# Altium PCB TM4C123G.PcbDoc (part 2 of 2)
Units mm, origin at the board's own origin, x right, y up, seen from the top; angles counter-clockwise.
Board outline 50.8 x 66.04 mm, 4 copper layers (Top Layer, GND, PWR, Bottom Layer), stack 1.605 mm thick; 93 components, 87 nets, 372 pads, 308 vias.
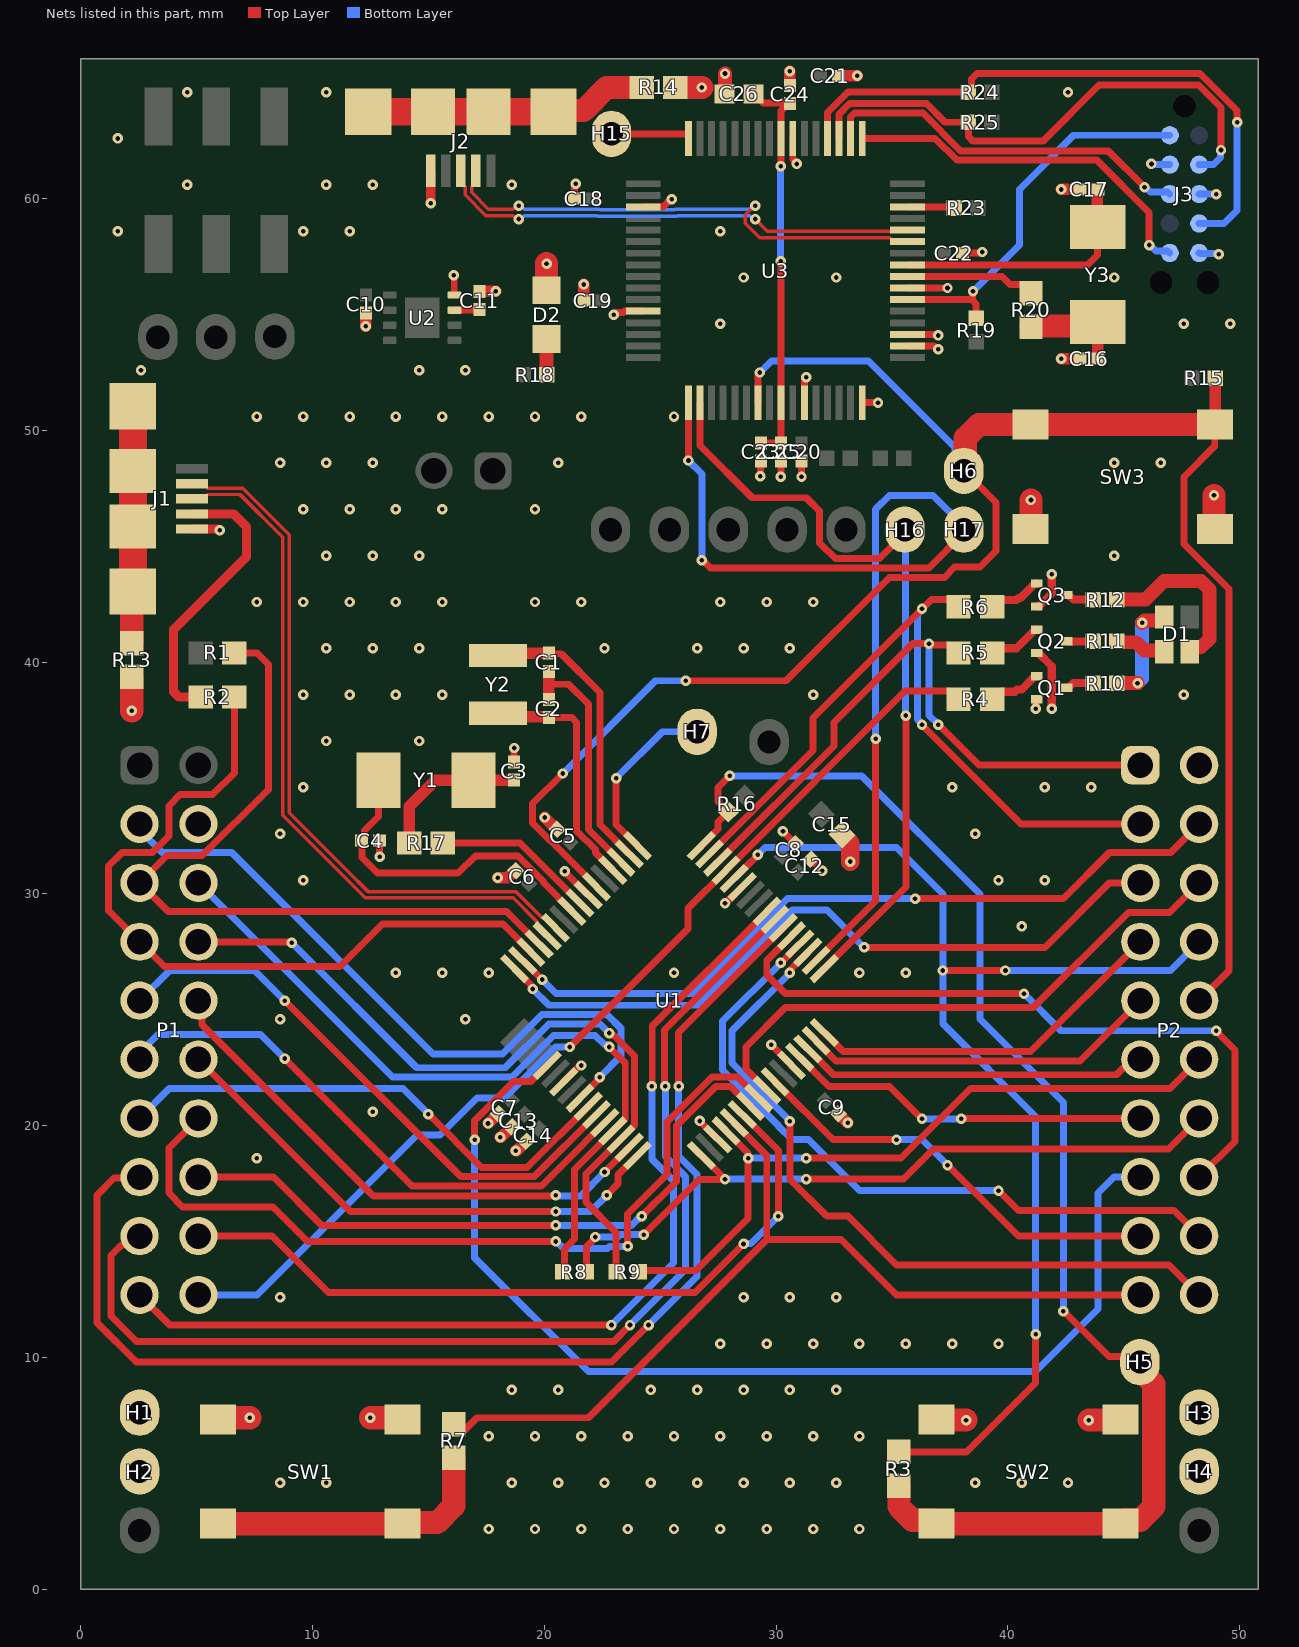
[diagram p4: the nets of this part, all layers, seen from the top]

## Via types
v1: diameter 0.45, hole 0.2, Top Layer to Bottom Layer, tented both sides, 307 vias
v2: diameter 0.8, hole 0.4, Top Layer to Bottom Layer, tented both sides, 1 vias

## Nets (pads, with @x,y where several pads share a name; then routed paths per layer and width w, separated by ;. In a path a pad name is that pad's centre, name@x,y a point inside that pad or via, vN(x,y) a via of type N, cw(c..) or ccw(c..) an arc to the next point about the centre after c; other vN are vias at no path point) (continued)
GND: C3.1 C4.1 C5.1 C6.1 C7.1 C8.1 C9.1 C10.1 C11.1 C12.1 C13.1 C14.1 C15.1 C16.1 C17.1 C18.1 C19.1 C20.1 C21.1 C22.1 C23.1 C24.1 C25.1 C26.1 D2.1 H1.1 H2.1 H3.1 H4.1 J1.5 J2.5 J3.3 J3.5 J3.9 P1.4 P2.2 Q1.2 Q2.2 Q3.2 R13.1 R14.1 SW1.3 SW1.4 SW2.3 SW2.4 SW3.1 SW3.2 U1.3 U1.12 U1.27 U1.39 U1.55 U2.4 U3.3 U3.12 U3.27 U3.32 U3.34 U3.35 U3.39 U3.55 | length 56.5
  Top Layer w0.3: C4.1@12.89,32.3 12.895,32.295 12.895,31.605 v1(12.9,31.6) ; v1(16.1,56.7) 16.116,56.684 16.116,55.844 16.121,55.839 U2.4@16.132,55.839 ; C3.1@18.7,35.69 v1(18.7,36.3) ; U1.55@20.839,21.9 21.511,22.571 21.571,22.571 v1(21.6,22.6) ; v1(20.882,30.982) 20.882,30.979 U1.39@21.9,29.961 ; C18.1@21.31,60 21.31,60.59 v1(21.362,60.642) ; v1(23,55) 23.041,55 23.139,55.098 23.408,55.098 23.456,55.146 U3.12@24.272,55.146 ; U3.3@24.272,59.646 25.13,59.646 25.459,59.976 v1(25.5,59.976) ; v1(26.707,20.207) 26.707,20.204 U1.3@27.486,19.425 ; v1(27.8,29.6) 27.832,29.6 U1.27@28.547,30.314 ; v1(29.325,48.025) 29.325,48.66 C23.1@29.35,48.685 ; v1(29.8,23.5) 29.8,23.475 U1.12@30.668,22.607 ; v1(30.2,48) 30.212,48.013 30.212,48.672 C25.1@30.225,48.685 ; v1(30.3,32.7) C8.1@30.825,32.175 ; U3.55@30.722,62.596 30.722,61.719 30.9,61.541 v1(30.9,61.5) ; v1(31.1,48) C20.1@31.1,48.685 ; U3.27@31.222,51.196 31.222,52.18 31.301,52.259 v1(31.301,52.3) ; U3.32@33.722,51.196 33.722,51.2 v1(34.4,51.2) ; U3.34@35.672,53.646 36.813,53.646 36.959,53.5 v1(37,53.5) ; U3.35@35.672,54.146 36.913,54.146 36.959,54.1 v1(37,54.1) ; U3.39@35.672,56.146 37.398,56.146 v1(37.4,56.148) ; C22.1@38.05,57.65 38.809,57.65 38.859,57.7 v1(38.9,57.7)
  Top Layer w0.35: C12.1@31.5,31.5 v1(32,31) ; v1(41.2,38) 41.219,38.019 41.219,38.397 41.222,38.4 Q1.2@41.252,38.4 ; Q2.2@41.252,40.4 41.328,40.4 41.9,39.829 v1(41.9,38) ; Q3.2@41.252,42.4 41.328,42.4 41.9,42.972 v1(41.9,43.8)
  Top Layer w0.4: J1.5@4.8,45.75 5.936,45.75 5.986,45.7 v1(6,45.7) ; v1(15.1,59.8) J2.5@15.1,61.2
  Top Layer w0.5: v1(12.3,54.5) C10.1@12.3,55.06 ; C11.1@17.2,55.99 17.21,56 v1(17.9,56) ; v1(17.575,20.1) 17.586,20.1 18.01,20.524 C7.1@18.024,20.524 ; v1(18,30.7) 18.422,30.7 18.746,31.024 18.76,31.024 C6.1@18.774,31.01 ; v1(18.1,19.5) 18.136,19.5 18.585,19.949 C13.1@18.599,19.949 ; v1(18.775,18.925) 18.811,18.925 19.21,19.324 C14.1@19.224,19.324 ; v1(20.026,33.3) 20.538,32.788 C5.1@20.552,32.788 ; v1(21.7,56.3) 21.7,55.61 C19.1@21.71,55.6 ; C24.1@30.6,64.89 v1(30.6,65.5) ; C9.1@32.676,20.524 32.69,20.524 33.088,20.126 v1(33.096,20.126) ; C21.1@32.7,65.3 v1(33.5,65.3) ; v1(42.3,53.1) C16.1@43.11,53.1 ; v1(42.3,60.4) C17.1@43.11,60.4
  Top Layer w0.6: C26.1@27.774,64.525 27.8,64.55 v1(27.8,65.4)
  Top Layer w0.8: C15.1@32.858,32.542 32.858,32.534 33.2,32.191 v1(33.2,31.4)
  Top Layer w1: v1(2.2,37.9) R13.1@2.2,39.374 ; SW1.4@5.931,7.33 6.001,7.4 v1(7.3,7.4) ; v1(12.5,7.4) 13.811,7.4 SW1.3@13.881,7.33 ; D2.1@20.1,56.05 v1(20.1,57.2) ; R14.1@25.651,64.8 v1(26.8,64.8) ; SW2.4@36.919,7.33 36.949,7.3 v1(38.2,7.3) ; SW3.2@40.983,45.756 41,45.773 v1(41,47) ; v1(43.5,7.3) 44.839,7.3 SW2.3@44.869,7.33 ; v1(48.9,47.2) 48.9,45.789 SW3.1@48.933,45.756
  Bottom Layer w0.3: v1(46.2,61.5) 46.216,61.484 46.974,61.484 J3.9@46.99,61.468 ; J3.5@48.26,57.658 48.289,57.629 49.071,57.629 v1(49.1,57.6) ; J3.3@48.26,60.198 J3.3@48.26,60.198 48.999,60.199 v1(49,60.2)
  other v1: 17.6,2.6 19.6,2.6 21.6,2.6 23.6,2.6 25.6,2.6 27.6,2.6 29.6,2.6 31.6,2.6 33.6,2.6 8.6,4.6 10.6,4.6 18.6,4.6 20.6,4.6 22.6,4.6 24.6,4.6 26.6,4.6 28.6,4.6 30.6,4.6 32.6,4.6 38.6,4.6 40.6,4.6 42.6,4.6 17.6,6.6 19.6,6.6 21.6,6.6 23.6,6.6 25.6,6.6 27.6,6.6 29.6,6.6 31.6,6.6 33.6,6.6 18.6,8.6 20.6,8.6 24.6,8.6 26.6,8.6 28.6,8.6 30.6,8.6 32.6,8.6 27.6,10.6 29.6,10.6 31.6,10.6 33.6,10.6 35.6,10.6 37.6,10.6 39.6,10.6 8.6,12.6 28.6,12.6 30.6,12.6 32.6,12.6 7.6,18.6 12.6,20.6 8.6,24.6 16.6,24.6 13.6,26.6 15.6,26.6 17.6,26.6 25.6,26.6 33.6,26.6 35.6,26.6 40.6,28.6 9.6,30.6 39.6,30.6 41.6,30.6 8.6,32.6 38.6,32.6 9.6,34.6 37.6,34.6 41.6,34.6 43.6,34.6 10.6,36.6 14.6,36.6 9.6,38.6 11.6,38.6 13.6,38.6 15.6,38.6 31.6,38.6 47.6,38.6 10.6,40.6 12.6,40.6 14.6,40.6 22.6,40.6 26.6,40.6 28.6,40.6 30.6,40.6 7.6,42.6 9.6,42.6 11.6,42.6 13.6,42.6 15.6,42.6 19.6,42.6 21.6,42.6 27.6,42.6 29.6,42.6 31.6,42.6 10.6,44.6 12.6,44.6 14.6,44.6 44.6,44.6 9.6,46.6 11.6,46.6 13.6,46.6 15.6,46.6 19.6,46.6 8.6,48.6 10.6,48.6 12.6,48.6 20.6,48.6 44.6,48.6 46.6,48.6 7.6,50.6 9.6,50.6 11.6,50.6 13.6,50.6 15.6,50.6 17.6,50.6 19.6,50.6 21.6,50.6 25.6,50.6 2.6,52.6 14.6,52.6 16.6,52.6 27.6,54.6 47.6,54.6 49.6,54.6 28.6,56.6 32.6,56.6 44.6,56.6 1.6,58.6 9.6,58.6 11.6,58.6 27.6,58.6 4.6,60.6 10.6,60.6 12.6,60.6 18.6,60.6 1.6,62.6 4.6,64.6 10.6,64.6 42.6,64.6
ICDI_RST: J3.10 R19.1 U3.38 | length 16.7
  Top Layer w0.3: U3.38@35.672,55.646 38.454,55.646 ; v1(38.5,56) 38.471,55.971 38.471,55.663 38.454,55.646 ; R19.1@38.634,54.834 38.634,55.466 38.454,55.646
  Bottom Layer w0.3: v1(38.5,56) 40.5,58 40.5,60.4 42.838,62.738 J3.10@46.99,62.738
ICDI_TCK: J3.4 R24.1 U3.52 | length 26.6
  Top Layer w0.3: U3.52@32.222,62.596 32.222,63.712 32.402,63.892 32.402,63.902 33.1,64.6 R24.1@38.298,64.6 38.437,64.739 38.437,65.167 38.67,65.4 48.3,65.4 49.9,63.8 v1(49.9,63.3)
  Bottom Layer w0.3: J3.4@48.26,58.928 49.328,58.928 49.9,59.5 v1(49.9,63.3)
ICDI_TDI: J3.8 U3.50 | length 16.2
  Top Layer w0.3: U3.50@33.222,62.596 33.222,63.523 33.398,63.698 36.334,63.698 37.969,62.063 44.337,62.063 v1(45.9,60.5)
  Bottom Layer w0.3: v1(45.9,60.5) 45.941,60.5 46.149,60.291 46.897,60.291 J3.8@46.99,60.198
ICDI_TDO: J3.6 U3.49 | length 16.1
  Top Layer w0.3: U3.49@33.722,62.596 36.868,62.596 37.803,61.662 43.838,61.662 46.1,59.4 v1(46.1,58)
  Bottom Layer w0.3: v1(46.1,58) 46.141,58 46.389,57.751 46.897,57.751 J3.6@46.99,57.658
ICDI_TMS: J3.2 R25.1 U3.51 | length 23.4
  Top Layer w0.3: U3.51@32.722,62.596 32.722,63.644 33.178,64.1 36.5,64.1 37.3,63.3 R25.1@38.298,63.3 38.298,62.676 38.474,62.5 41.534,62.5 43.938,64.903 48.229,64.903 49.2,63.932 v1(49.2,62.1)
  Bottom Layer w0.3: J3.2@48.26,61.468 48.868,61.468 49.173,61.773 49.173,62.073 v1(49.2,62.1)
ICDL_USB_N: J2.2 U3.43 | length 22
  Top Layer w0.149: J2.2@17.05,61.2 17.05,60.7 16.863,60.513 16.863,60.277 17.591,59.549 18.668,59.549 18.818,59.7 v1(18.9,59.7) ; v1(29.1,59.7) 29.074,59.7 28.674,59.3 28.674,58.946 29.3,58.32 34.909,58.32 34.996,58.233 34.996,58.222 35.072,58.146 U3.43@35.672,58.146
  Bottom Layer w0.149: v1(18.9,59.7) 18.982,59.7 19.132,59.549 22.377,59.549 22.411,59.516 25.614,59.516 25.648,59.549 28.868,59.549 29.018,59.7 v1(29.1,59.7)
ICDL_USB_P: J2.3 U3.44 | length 21
  Top Layer w0.149: J2.3@16.4,61.2 16.4,60.7 16.587,60.513 16.587,60.163 17.477,59.274 18.668,59.274 18.818,59.123 v1(18.9,59.123) ; v1(29.1,59.123) 29.627,58.596 35.622,58.596 U3.44@35.672,58.646
  Bottom Layer w0.149: v1(18.9,59.123) 18.982,59.123 19.132,59.274 22.263,59.274 22.297,59.24 25.728,59.24 25.762,59.274 28.868,59.274 29.018,59.123 v1(29.1,59.123)
LED_B: Q2.1 R5.2 | length 2.3
  Top Layer w0.35: R5.2@39.326,40.4 39.527,40.602 40.378,40.602 41.176,41.4 Q2.1@41.252,41.4
LED_G: Q3.1 R6.2 | length 2.3
  Top Layer w0.35: R6.2@39.326,42.4 39.604,42.678 40.378,42.678 40.465,42.765 40.542,42.765 41.176,43.4 Q3.1@41.252,43.4
LED_R: Q1.1 R4.2 | length 2.3
  Top Layer w0.35: R4.2@39.326,38.4 39.654,38.728 40.305,38.728 40.404,38.827 40.604,38.827 41.176,39.4 Q1.1@41.252,39.4
NetC1_1: C1.1 C2.2 U1.35 | length 10.7
  Top Layer w0.3: 20.2,39.05 21.05,39.05 21.9,38.2 21.9,32.789 U1.35@23.314,31.375
  Top Layer w0.5: C2.2@20.2,38.39 20.2,39.05 C1.1@20.2,39.61
NetC1_2: C1.2 U1.34 Y2.1 | length 12.6
  Top Layer w0.3: C1.2@20.195,40.39 20.219,40.366 20.734,40.366 22.4,38.7 22.4,32.996 U1.34@23.668,31.729
  Top Layer w0.5: Y2.1@18.005,40.295 18.1,40.39 C1.2@20.2,40.39
NetC2_1: C2.1 U1.36 Y2.2 | length 10.9
  Top Layer w0.3: C2.1@20.2,37.61 21.19,37.61 21.4,37.4 21.4,32.721 22.202,31.919 22.202,31.78 U1.36@22.96,31.021
  Top Layer w0.5: C2.1@20.2,37.61 20.2,37.63 20.19,37.64 18.24,37.64 Y2.2@18.2,37.6 ; Y2.2@18.2,37.6 Y2.2@18.005,37.795 Y2.2@18.2,37.6
NetC3_2: C3.2 R17.1 Y1.1 | length 6.6
  Top Layer w0.5: R17.1@14.174,32.2 14.174,33.774 15.3,34.9 16.87,34.9 16.88,34.91 C3.2@18.7,34.91
NetC4_2: C4.2 U1.41 Y1.2 | length 16.5
  Top Layer w0.3: C4.2@12.11,32.3 C4.2@12.13,32.3 ; Y1.2@12.85,34.9 12.85,33.35 12.24,32.74 12.24,32.41 C4.2@12.13,32.3 ; U1.41@21.193,29.254 19.959,30.487 19.959,30.548 18.864,31.643 17.028,31.643 16.285,30.9 12.8,30.9 12.13,31.57 ; 12.13,31.57 C4.2@12.13,32.3 ; 12.13,31.57 C4.2@12.13,32.3 ; 12.13,31.57 C4.2@12.13,32.3 ; 12.13,31.57 C4.2@12.13,32.3
NetC11_2: C11.2 U2.3 | length 1.1
  Top Layer w0.3: U2.3@16.132,55.189 16.137,55.194 17.184,55.194 C11.2@17.2,55.21
NetC16_2: C16.2 R20.1 Y3.1 | length 4.2
  Top Layer w0.5: Y3.1@43.702,54.502 43.89,54.314 C16.2@43.89,53.1
  Top Layer w1: R20.1@41,54.474 41,54.499 41.003,54.502 Y3.1@43.702,54.502
NetC17_2: C17.2 U3.41 Y3.2 | length 11.2
  Top Layer w0.3: U3.41@35.672,57.146 36.878,57.146 36.886,57.138 43.438,57.138 43.875,57.575 Y3.2@43.875,58.775
  Top Layer w0.5: Y3.2@43.875,58.775 43.86,58.79 43.86,60.39 43.87,60.4 C17.2@43.89,60.4
NetC23_2: C23.2 C24.2 C25.2 C26.2 U3.25 U3.56 | length 17.5
  Top Layer w0.3: C26.2@29.025,64.525 29.047,64.525 29.442,64.13 30.6,64.13 30.6,64.09 30.49,63.98 30.406,63.98 30.222,63.796 U3.56@30.222,62.596 30.222,61.422 v1(30.2,61.4) ; C23.2@29.35,49.465 C25.2@30.225,49.465 30.225,50.593 30.222,50.596 30.222,57.278 v1(30.2,57.3)
  Bottom Layer w0.3: v1(30.2,57.3) v1(30.2,61.4)
NetD1_2: D1.2 R12.2 | length 7.8
  Top Layer w0.6: R12.2@44.702,42.7 45.936,42.7 46.736,43.5 47.608,43.5 47.609,43.502 48.347,43.502 48.7,43.149 48.7,41.001 48.349,40.65 47.95,40.65 47.85,40.55 D1.2@47.85,40.45
NetD1_3: D1.3 R11.2 | length 2.2
  Top Layer w0.6: R11.2@44.702,40.9 R11.2@44.702,40.9 44.736,40.864 45.536,40.864 45.9,40.5 46.7,40.5 D1.3@46.75,40.45
NetD1_4: D1.4 R10.2 | length 4.7
  Top Layer w0.6: R10.2@44.702,39.1 v1(45.6,39.1) ; v1(45.8,41.7) 45.9,41.8 46.65,41.8 46.75,41.9 D1.4@46.75,41.95
  Bottom Layer w0.6: v1(45.6,39.1) 45.8,39.3 v1(45.8,41.7)
NetD2_2: D2.2 R18.1 | length 1.6
  Top Layer w0.6: D2.2@20.1,53.95 20.101,53.949 R18.1@20.102,52.4 R18.1@20.102,52.4
NetH7_1: H7.1 U1.33 | length 7.6
  Top Layer w0.3: v1(23.1,35) 23.1,33.003 U1.33@24.021,32.082
  Bottom Layer w0.3: v1(23.1,35) 25.1,37 H7.1@26.6,37
NetH15_1: H15.1 U3.64 | length 13.5
  Top Layer w0.3: U3.64@26.222,62.596 U3.64@26.222,62.8 ; H15.1@22.9,62.8 U3.64@26.222,62.8 ; H15.1@22.9,62.8 U3.64@26.222,62.8 ; H15.1@22.9,62.8 U3.64@26.222,62.8 ; H15.1@22.9,62.8 U3.64@26.222,62.8
NetJ1_SH: J1.6 J1.7 J1.8 J1.9 R13.2 | length 10.2
  Top Layer w1: R13.2@2.2,40.826 2.203,40.829 2.203,43.003 J1.7@2.25,43.05
  Top Layer w1.2: J1.7@2.25,43.05 J1.8@2.25,45.85 J1.9@2.25,48.25 J1.6@2.25,51.05
NetJ2_SH: J2.6 J2.7 J2.8 J2.9 R14.2 | length 12.2
  Top Layer w1: J2.6@20.4,63.75 20.451,63.801 21.699,63.801 22.697,64.8 R14.2@24.2,64.8
  Top Layer w1.2: J2.7@12.4,63.75 J2.8@15.2,63.75 J2.9@17.6,63.75 J2.6@20.4,63.75
NetQ1_3: Q1.3 R10.1 | length 1.2
  Top Layer w0.35: Q1.3@42.547,38.9 42.623,38.9 42.823,39.1 R10.1@43.698,39.1
NetQ2_3: Q2.3 R11.1 | length 1.2
  Top Layer w0.35: Q2.3@42.547,40.9 R11.1@43.698,40.9
NetQ3_3: Q3.3 R12.1 | length 1.2
  Top Layer w0.35: Q3.3@42.547,42.9 42.623,42.9 42.823,42.7 R12.1@43.698,42.7
NetR17_2: R17.2 U1.40 | length 7
  Top Layer w0.3: R17.2@15.626,32.2 18.954,32.2 U1.40@21.546,29.607
NetR20_2: R20.2 U3.40 | length 5.6
  Top Layer w0.3: U3.40@35.672,56.646 37.188,56.646 37.192,56.65 39.75,56.65 40.097,56.303 40.647,56.303 41,55.95 R20.2@41,55.926
NetR23_1: R23.1 U3.46 | length 2
  Top Layer w0.3: U3.46@35.672,59.646 37.652,59.646 R23.1@37.698,59.6
PA2: P2.20 U1.19 | length 31.9
  Top Layer w0.3: v1(30.6,20.2) 30.6,17.69 32.19,16.1 33.1,16.1 35.2,14 46.96,14 P2.20@48.26,12.7 ; v1(30.6,26.6) 30.629,26.629 30.629,26.74 U1.19@31.375,27.486
  Bottom Layer w0.3: v1(30.6,20.2) 28.1,22.7 28.1,24.1 v1(30.6,26.6)
PA3: P2.18 U1.20 | length 30.3
  Top Layer w0.3: v1(30.211,27.026) 30.211,27.029 U1.20@31.021,27.84 ; v1(39.6,17.2) 40.465,16.335 47.165,16.335 P2.18@48.26,15.24
  Bottom Layer w0.3: v1(30.211,27.026) 27.698,24.514 27.698,22.402 30.098,20.002 30.098,19.992 30.69,19.4 31.4,19.4 33.6,17.2 v1(39.6,17.2)
PA4: P2.16 U1.21 | length 29.8
  Top Layer w0.3: U1.21@30.668,28.193 29.6,27.125 29.6,26.5 30.4,25.7 v1(40.7,25.7) ; P2.16@48.26,17.78 49.8,19.32 49.8,23.259 49,24.059 v1(49,24.1)
  Bottom Layer w0.3: v1(40.7,25.7) 42.3,24.1 v1(49,24.1)
PA5: P1.15 U1.22 | length 53.1
  Top Layer w0.3: P1.15@2.54,17.78 2.501,17.741 1.441,17.741 0.7,17 0.7,11.5 2.4,9.8 22.9,9.8 v1(24.5,11.4) ; v1(25.8,21.7) 25.8,24.032 U1.22@30.314,28.547
  Bottom Layer w0.3: v1(24.5,11.4) 26.6,13.5 26.6,17.9 25.8,18.7 25.8,19.588 25.797,19.591 25.797,21.631 25.8,21.634 v1(25.8,21.7)
PA6: P1.17 U1.23 | length 48.2
  Top Layer w0.3: P1.17@2.54,15.24 2.175,15.24 1.773,14.838 1.738,14.838 1.3,14.4 1.3,11.8 2.4,10.7 23,10.7 v1(23.7,11.4) ; v1(25.223,21.7) 25.194,21.729 25.194,24.134 U1.23@29.961,28.9
  Bottom Layer w0.3: v1(23.7,11.4) 26.1,13.8 26.1,17.8 25.223,18.677 v1(25.223,21.7)
PA7: P1.19 U1.24 | length 42.3
  Top Layer w0.3: P1.19@2.54,12.7 3.84,11.4 v1(22.9,11.4) ; v1(24.646,21.7) 24.66,21.714 24.66,24.306 U1.24@29.607,29.254
  Bottom Layer w0.3: v1(22.9,11.4) 22.9,11.41 25.574,14.084 25.574,17.626 24.646,18.554 v1(24.646,21.7)
PB0: P1.5 R1.1 U1.45 | length 32.6
  Top Layer w0.3: R1.1@6.626,40.4 7.6,40.4 8.1,39.9 8.1,34.517 5.239,31.656 3.716,31.656 P1.5@2.54,30.48 3.777,29.243 18.375,29.243 U1.45@19.779,27.84
PB1: P1.7 R2.1 U1.46 | length 33.5
  Top Layer w0.3: R2.1@6.626,38.5 6.626,35.226 5.69,34.29 4.29,34.29 3.8,33.8 3.8,32.5 3.1,31.8 1.8,31.8 1.2,31.2 1.2,29.28 P1.7@2.54,27.94 3.617,26.863 11.184,26.863 13.02,28.7 18.211,28.7 U1.46@19.425,27.486
PB2: P2.4 U1.47 | length 32.8
  Top Layer w0.3: U1.47@19.071,27.132 19.896,26.308 v1(19.908,26.308) ; v1(36,29.8) 42.4,29.8 44.4,31.8 47.04,31.8 P2.4@48.26,33.02
  Bottom Layer w0.3: v1(19.908,26.308) 20.516,25.7 26.4,25.7 30.5,29.8 v1(36,29.8)
PB3: P2.5 U1.48 | length 31.2
  Top Layer w0.3: U1.48@18.718,26.779 19.471,26.025 19.471,25.929 v1(19.5,25.9) ; v1(33.8,27.7) 41.6,27.7 44.38,30.48 P2.5@45.72,30.48
  Bottom Layer w0.3: v1(19.5,25.9) 20.2,25.2 26.6,25.2 30.7,29.3 32.2,29.3 v1(33.8,27.7)
PB4: P1.13 U1.58 | length 22.4
  Top Layer w0.3: v1(15,20.5) 17.297,18.203 19.264,18.203 U1.58@21.9,20.839
  Bottom Layer w0.3: P1.13@2.54,20.32 3.82,21.6 13.9,21.6 v1(15,20.5)
PB5: P1.3 U1.57 | length 29.7
  Top Layer w0.3: U1.57@21.546,21.193 22.371,22.018 22.371,22.071 v1(22.4,22.1)
  Bottom Layer w0.3: P1.3@2.54,33.02 2.54,32.76 3.5,31.8 6.5,31.8 15.197,23.103 18.203,23.103 19.898,24.798 22.712,24.798 23.302,24.208 23.302,23.002 v1(22.4,22.1)
PB6: P2.14 R8.2 U1.1 | length 31.3
  Top Layer w0.3: R8.2@21.802,13.7 21.827,13.725 21.827,14.786 22.2,15.159 v1(22.2,15.2) ; v1(24.3,15.3) 26.681,17.681 27.785,17.681 v1(27.8,17.697) U1.1@26.779,18.718 ; v1(31.3,17.7) 35.5,17.7 36.8,19 46.94,19 P2.14@48.26,20.32
  Bottom Layer w0.3: v1(22.2,15.2) 23.187,15.2 23.287,15.3 v1(24.3,15.3) ; v1(27.8,17.697) 27.802,17.698 31.298,17.698 v1(31.3,17.7)
PB7: P2.12 R9.2 U1.4 | length 31.1
  Top Layer w0.3: R9.2@24.102,13.7 24.152,13.75 26.55,13.75 28.8,16 v1(28.8,18.6) 28.8,18.818 U1.4@27.84,19.779 ; v1(31.3,18.6) 35.4,18.6 38.4,21.6 47,21.6 P2.12@48.26,22.86
  Bottom Layer w0.3: v1(28.8,18.6) v1(31.3,18.6)
PC4: P2.7 U1.16 | length 15.9
  Top Layer w0.3: U1.16@32.082,24.021 32.9,23.203 40.983,23.203 P2.7@45.72,27.94
PC5: P2.9 U1.15 | length 15.4
  Top Layer w0.3: U1.15@31.729,23.668 32.594,22.802 43.122,22.802 P2.9@45.72,25.4
PC6: P2.11 U1.14 | length 15.1
  Top Layer w0.3: U1.14@31.375,23.314 32.489,22.2 44.695,22.2 45.355,22.86 P2.11@45.72,22.86
PC7: P2.13 U1.13 | length 15.8
  Top Layer w0.3: U1.13@31.021,22.96 32.282,21.7 34.9,21.7 v1(36.3,20.3) ; v1(38,20.3) 38.01,20.31 45.71,20.31 P2.13@45.72,20.32
  Bottom Layer w0.3: v1(36.3,20.3) v1(38,20.3)
PD0: P1.6 R8.1 U1.61 | length 33.2
  Top Layer w0.3: R8.1@20.798,13.7 20.877,13.779 20.877,14.686 21.298,15.108 21.298,18.116 U1.61@22.96,19.779 23.495,20.313 23.495,22.705 v1(22.8,23.4)
  Bottom Layer w0.3: P1.6@5.08,30.48 13.46,22.1 18.6,22.1 20.4,23.9 22.19,23.9 22.592,23.498 22.661,23.498 22.759,23.4 v1(22.8,23.4)
PD1: P1.8 R9.1 U1.62 | length 33.1
  Top Layer w0.3: P1.8@5.08,27.94 5.1,27.92 9.08,27.92 v1(9.1,27.9) ; v1(22.8,24) 22.841,24 22.939,23.902 23.008,23.902 23.897,23.013 23.897,20.007 U1.62@23.314,19.425 21.8,17.911 21.8,16.7 23.098,15.402 R9.1@23.098,13.7
  Bottom Layer w0.3: v1(9.1,27.9) 14.498,22.502 18.302,22.502 20.197,24.397 22.403,24.397 v1(22.8,24)
PD2: P1.10 U1.63 | length 23.5
  Top Layer w0.3: P1.10@5.08,25.4 5.242,25.238 5.242,24.358 12.623,16.977 20.477,16.977 v1(20.5,17) ; v1(22.602,18.003) 22.602,18.006 U1.63@23.668,19.071
  Bottom Layer w0.3: v1(20.5,17) 20.523,16.977 21.576,16.977 v1(22.602,18.003)
PD3: P1.12 U1.64 | length 22.9
  Top Layer w0.3: P1.12@5.08,22.86 11.64,16.3 v1(20.5,16.3) ; v1(22.7,17) 22.7,17.009 23.173,17.482 23.173,17.869 U1.64@24.021,18.718
  Bottom Layer w0.3: v1(20.5,16.3) 22,16.3 v1(22.7,17)
PD6: P2.15 U1.53 | length 47.2
  Top Layer w0.3: v1(17,19.4) 17,20.235 18.667,21.902 19.427,21.902 U1.53@20.132,22.607
  Bottom Layer w0.3: v1(17,19.4) 17,14.3 21.9,9.4 41.2,9.4 43.9,12.1 43.9,17.1 44.58,17.78 P2.15@45.72,17.78
PD7: P2.17 U1.10 | length 18.5
  Top Layer w0.3: U1.10@29.961,21.9 32.461,19.4 v1(35.2,19.4) ; v1(37.4,18.3) 40.46,15.24 P2.17@45.72,15.24
  Bottom Layer w0.3: v1(35.2,19.4) 36.3,19.4 v1(37.4,18.3)
PE0: P2.6 U1.9 | length 24.7
  Top Layer w0.3: U1.9@29.607,21.546 28.7,22.454 28.7,23.4 30.4,25.1 41.1,25.1 45.2,29.2 46.98,29.2 P2.6@48.26,30.48
PE1: P1.14 U1.8 | length 35.8
  Top Layer w0.3: P1.14@5.08,20.32 3.8,19.04 3.8,17.1 4.4,16.5 8.3,16.5 9.792,15.008 v1(20.491,15.008) ; v1(23.6,14.796) 23.598,14.798 23.598,16.198 25.298,17.898 25.298,20.166 27.234,22.102 28.345,22.102 U1.8@29.254,21.193
  Bottom Layer w0.3: v1(20.491,15.008) 20.531,15.008 20.841,14.698 22.727,14.698 22.825,14.796 v1(23.6,14.796)
PE2: P1.16 U1.7 | length 28.9
  Top Layer w0.3: P1.16@5.08,17.78 8.32,17.78 10.4,15.7 v1(20.5,15.7) ; v1(24.205,16.095) 25.7,17.59 25.7,20 27.4,21.7 28.039,21.7 U1.7@28.9,20.839
  Bottom Layer w0.3: v1(20.5,15.7) 21.99,15.7 21.992,15.702 23.771,15.702 24.164,16.095 v1(24.205,16.095)
PE3: P1.18 U1.6 | length 32.4
  Top Layer w0.3: P1.18@5.08,15.24 8.26,15.24 10.7,12.8 26.5,12.8 v1(28.6,14.9) ; U1.6@28.547,20.486 30.102,18.93 v1(30.102,16.1)
  Bottom Layer w0.3: v1(28.6,14.9) 28.626,14.926 28.928,14.926 v1(30.102,16.1)
PE4: P1.9 U1.59 | length 25
  Top Layer w0.3: v1(8.8,25.4) 16.398,17.802 19.569,17.802 U1.59@22.253,20.486
  Bottom Layer w0.3: P1.9@2.54,25.4 3.84,26.7 7.5,26.7 v1(8.8,25.4)
PE5: P1.11 U1.60 | length 24.5
  Top Layer w0.3: v1(8.8,22.9) 14.3,17.4 19.875,17.4 20.896,18.421 U1.60@22.607,20.132
  Bottom Layer w0.3: P1.11@2.54,22.86 2.54,23.14 3.337,23.937 7.763,23.937 v1(8.8,22.9)
PF0: P2.8 R3.1 U1.28 | length 51.8
  Top Layer w0.3: U1.28@28.193,30.668 28.734,31.209 28.737,31.209 v1(29.214,31.686) ; R3.1@35.3,5.926 38.226,5.926 41.2,8.9 v1(41.2,11) ; v1(37.2,26.7) v1(39.9,26.7)
  Bottom Layer w0.3: v1(29.214,31.686) 29.528,32 35.2,32 36.6,30.6 37.2,30 v1(37.2,26.7) 37.2,24.4 41.2,20.4 v1(41.2,11) ; v1(39.9,26.7) 47.02,26.7 P2.8@48.26,27.94
PF1: P1.20 R4.1 U1.29 | length 44.2
  Top Layer w0.3: v1(21.1,23.398) 26.202,28.5 26.202,29.384 U1.29@27.84,31.021 35.571,38.753 37.521,38.753 R4.1@37.874,38.4
  Bottom Layer w0.3: P1.20@5.08,12.7 7.6,12.7 14.5,19.6 15.5,19.6 17.1,21.2 18.29,21.2 20.488,23.398 v1(21.1,23.398)
PF2: P2.1 R5.1 U1.30 | length 28.2
  Top Layer w0.3: U1.30@27.486,31.375 32.5,36.389 32.5,37.4 35.9,40.8 36.641,40.8 36.687,40.753 37.521,40.753 R5.1@37.874,40.4 ; v1(37.005,37.305) 38.75,35.56 P2.1@45.72,35.56
  Bottom Layer w0.3: v1(36.6,40.8) 36.6,37.71 v1(37.005,37.305)
PF3: P2.3 R6.1 U1.31 | length 32.6
  Top Layer w0.3: U1.31@27.132,31.729 31.6,36.196 31.6,37.6 36.7,42.7 37.574,42.7 R6.1@37.874,42.4 ; v1(36.3,37.3) 40.58,33.02 P2.3@45.72,33.02
  Bottom Layer w0.3: v1(36.3,37.3) 36.3,37.341 36.102,37.539 36.102,37.908 36.098,37.912 36.098,42.057 36.3,42.259 v1(36.3,42.3)
PF4: P2.19 R7.1 U1.5 | length 39.8
  Top Layer w0.3: R7.1@16.1,7.126 16.463,6.763 17.1,7.4 21.9,7.4 29.6,15.1 ; U1.5@28.193,20.132 29.6,18.725 29.6,15.1 ; P2.19@45.72,12.7 35.2,12.7 32.8,15.1 29.6,15.1
TARGETRST: H6.1 P2.10 R15.1 SW3.3 SW3.4 U1.38 U3.23 | length 87.2
  Top Layer w0.3: v1(20.8,35.2) 19.5,33.9 19.5,33.068 21.084,31.484 21.09,31.484 21.384,31.19 21.384,31.184 U1.38@22.253,30.314 ; v1(26.1,39.2) 30.43,39.2 34.895,43.665 37.265,43.665 37.7,44.1 38.8,44.1 39.5,44.8 39.5,46.9 38.14,48.26 H6.1@38.1,48.26 ; U3.23@29.222,51.196 29.222,52.381 29.3,52.459 v1(29.3,52.5) ; P2.10@48.26,25.4 49.548,26.688 49.548,43.152 47.6,45.1 47.6,48 48.932,49.332 48.932,50.255 SW3.3@48.933,50.256 SW3.3@48.808,50.256
  Top Layer w0.5: SW3.3@48.933,50.256 48.952,50.275 R15.1@48.952,52.25
  Top Layer w1: H6.1@38.1,48.26 38.167,48.327 38.167,49.67 38.752,50.256 SW3.3@48.808,50.256
  Bottom Layer w0.3: v1(20.8,35.2) 24.8,39.2 v1(26.1,39.2) ; v1(29.3,52.5) 29.8,53 34,53 37.726,49.274 37.726,49.163 38.1,48.789 H6.1@38.1,48.26
U0RX_VCP_TXD: H16.1 U1.17 U3.18 | length 34.5
  Top Layer w0.3: U3.18@26.722,51.196 26.722,49.35 28.976,47.096 31.304,47.096 31.884,46.516 31.884,45.148 32.564,44.468 34.458,44.468 35.56,45.57 H16.1@35.56,45.72 ; U1.17@32.082,26.779 35.6,30.297 v1(35.6,37.7)
  Bottom Layer w0.3: H16.1@35.56,45.72 35.58,45.7 35.58,37.72 v1(35.6,37.7)
U0TX_VCP_RXD: H17.1 U1.18 U3.17 | length 44.5
  Top Layer w0.3: v1(26.222,48.704) U3.17@26.222,51.196 ; v1(26.8,44.4) 26.841,44.4 27.174,44.067 36.597,44.067 38.1,45.57 H17.1@38.1,45.72 ; U1.18@31.729,27.132 34.3,29.704 v1(34.3,36.7)
  Bottom Layer w0.3: v1(26.222,48.704) 26.222,48.693 26.8,48.115 v1(26.8,44.4) ; v1(34.3,36.7) 34.3,46.6 34.9,47.2 36.77,47.2 38.1,45.87 H17.1@38.1,45.72
USB0_ID: J1.4 R2.2 | length 12.3
  Top Layer w0.4: J1.4@4.8,46.4 6.6,46.4 7.152,45.848 7.152,44.552 4,41.4 4,38.734 4.234,38.5 R2.2@5.174,38.5
USB0_N: J1.2 U1.43 | length 30.6
  Top Layer w0.149: J1.2@4.8,47.7 5.3,47.7 5.487,47.513 6.987,47.513 7.149,47.351 8.833,45.667 8.995,45.505 8.995,33.505 11.2,31.3 11.469,31.031 12.394,30.106 18.768,30.106 19.903,28.971 20.061,28.971 U1.43@20.486,28.547
USB0_P: J1.3 U1.44 | length 30.4
  Top Layer w0.149: J1.3@4.8,47.05 5.3,47.05 5.487,47.237 6.873,47.237 8.719,45.391 8.719,33.391 11.005,31.105 12.28,29.83 18.654,29.83 19.708,28.776 19.708,28.617 U1.44@20.132,28.193
USR_SW1: R7.2 SW1.1 SW1.2 | length 12.7
  Top Layer w1: SW1.2@5.931,2.83 SW1.1@14.006,2.83 ; SW1.1@13.881,2.83 13.93,2.879 15.379,2.879 16.097,3.597 16.097,5.671 R7.2@16.1,5.674
USR_SW2: H5.1 R3.2 R16.1 SW2.1 SW2.2 U1.32 | length 59.7
  Top Layer w0.3: U1.32@26.779,32.082 27.5,32.803 27.5,33.1 R16.1@27.869,33.469 ; R16.1@27.945,33.545 27.5,33.99 27.5,34.6 v1@27.994,35.094 ; v1(42.4,12) 44.359,10.041 45.459,10.041 H5.1@45.7,9.8
  Top Layer w1: R3.2@35.3,4.474 35.303,4.471 35.303,3.566 35.889,2.98 36.769,2.98 SW2.2@36.919,2.83 ; SW2.2@36.794,2.83 SW2.1@44.869,2.83 45.019,2.98 45.714,2.98 46.3,3.566 46.3,8.861 45.7,9.461 H5.1@45.7,9.8
  Bottom Layer w0.3: v1(28,35.1) 33.7,35.1 38.8,30 38.8,24.6 42.4,21 v1(42.4,12) ; H5.1@45.7,9.8 H5.1@45.7,9.95
pads on no net: J2.4 J3. J3.1 J3.7 U2.2 U2.6 U2.7 U2.9 U3.1 U3.4 U3.5 U3.6 U3.7 U3.8 U3.9 U3.10 U3.13 U3.14 U3.15 U3.16 U3.28 U3.31 U3.33 U3.36 U3.47 U3.48 U3.57 U3.58 U3.59 U3.60 U3.61 U3.62 U3.63

## Polygon pours and split planes (outlines as drawn)
GND on GND "GND_L02_P004" (solid, remove dead copper, pour order 4): 0,0 0,66.04 50.8,66.04 50.8,0
+3V3 on PWR "+3V3_L03_P002" (solid, remove dead copper, pour order 2): 0,44.3 50.8,44.3 50.8,66.04 0,66.04
+MCU_PWR on PWR "+MCU_PWR_L03_P001" (solid, remove dead copper, pour order 1): 0,0 0,44.075 50.8,44.075 50.8,0
GND on Top Layer "GND_L01_P000" (solid, remove dead copper, pour order 0): 0,0 0,66.04 50.8,66.04 50.8,0
GND on Bottom Layer "GND_L04_P003" (solid, remove dead copper, pour order 3): 0,0 0,66.04 50.8,66.04 50.8,0

## Keep-outs
Keep-Out Layer:
  the board outline again, w0.178

## Silkscreen, mask and mechanical layers (free items; w line width, h text height)
Top Overlay:
  drawing of 63 lines, arcs and shapes, not listed
  text "PWR" at 19.3,57.8 h0.6
  text "DEVICE" at 1.651,55.8 h0.6
  text "DEBUG" at 6.9,55.7 h0.6
  text "RESET" at 36.934,49.65 h0.5
  text "TCK" at 22.1,43.7 h0.6
  text "TMS" at 24.6,43.7 h0.6
  text "TDO" at 27.1,43.7 h0.6
  text "TDI" at 29.8,43.7 h0.6
  text "EXT" at 32.2,43.7 h0.6
  text "TXD" at 34.8,43.7 h0.6
  text "RXD" at 37.3,43.7 h0.6
  text "EK-TM4C123GXL" at 24.202,40 h0.8
  text "VDDC" at 28.6,38 h0.6
  text "+3.3V" at 6.65,35.4 h0.6
  text "VB" at 10.1,35.4 h0.6
  text "PF2" at 39.5,35.4 h0.6
  text "GND" at 42.35,35.4 h0.6
  text "PB5" at 6.742,32.7 h0.6
  text "GND" at 9.8,32.7 h0.6
  text "PF3" at 39.5,32.7 h0.6
  text "PB2" at 42.35,32.7 h0.6
  text "PB0" at 6.742,30.2 h0.6
  text "PD0" at 9.8,30.2 h0.6
  text "PB3" at 39.5,30.2 h0.6
  text "PE0" at 42.35,30.2 h0.6
  text "PB1" at 6.759,27.7 h0.6
  text "PD1" at 9.817,27.7 h0.6
  text "PC4" at 39.5,27.7 h0.6
  text "PF0" at 42.35,27.7 h0.6
  text "PE4" at 6.742,25.2 h0.6
  text "PD2" at 9.8,25.2 h0.6
  text "PC5" at 39.5,25.2 h0.6
  text "RST" at 42.35,25.2 h0.6
  text "PE5" at 6.742,22.5 h0.6
  text "PD3" at 9.8,22.5 h0.6
  text "PC6" at 39.5,22.5 h0.6
  text "PB7" at 42.35,22.5 h0.6
  text "PB4" at 6.742,20 h0.6
  text "PE1" at 9.817,20 h0.6
  text "PC7" at 39.5,20 h0.6
  text "PB6" at 42.35,20 h0.6
  text "PA5" at 6.742,17.5 h0.6
  text "PE2" at 9.8,17.5 h0.6
  text "PD6" at 39.5,17.5 h0.6
  text "PA4" at 42.35,17.5 h0.6
  text "PA6" at 6.742,14.9 h0.6
  text "PE3" at 9.8,14.9 h0.6
  text "PD7" at 39.5,14.9 h0.6
  text "PA3" at 42.35,14.9 h0.6
  text "PA7" at 6.742,12.4 h0.6
  text "PF1" at 9.817,12.4 h0.6
  text "PF4" at 39.5,12.4 h0.6
  text "PA2" at 42.35,12.4 h0.6
  text "WAKE" at 46.9,9.5 h0.6
  text "+VBUS" at 1,0.6 h0.6
  text "+3.3V" at 46.95,0.6 h0.6
Bottom Overlay:
  text "TC2050-IDC-NL" at 50.2,61.049 h0.6 r90
  text "+3.3V" at 9.55,35.4 h0.6
  text "VB" at 11.3,35.4 h0.6
  text "PF2" at 41.098,35.409 h0.6
  text "GND" at 43.948,35.409 h0.6
  text "PF3" at 41.098,32.709 h0.6
  text "PB2" at 43.948,32.709 h0.6
  text "PB5" at 8.542,32.7 h0.6
  text "GND" at 11.6,32.7 h0.6
  text "PB0" at 8.542,30.2 h0.6
  text "PD0" at 11.6,30.2 h0.6
  text "PB3" at 41.098,30.209 h0.6
  text "PE0" at 43.948,30.209 h0.6
  text "PB1" at 8.358,27.7 h0.6
  text "PD1" at 11.416,27.7 h0.6
  text "PC4" at 41.098,27.709 h0.6
  text "PF0" at 43.948,27.709 h0.6
  text "PE4" at 8.542,25.2 h0.6
  text "PD2" at 11.6,25.2 h0.6
  text "PC5" at 41.098,25.209 h0.6
  text "RST" at 43.948,25.209 h0.6
  text "PE5" at 8.542,22.5 h0.6
  text "PD3" at 11.6,22.5 h0.6
  text "PC6" at 41.098,22.509 h0.6
  text "PB7" at 43.948,22.509 h0.6
  text "PC7" at 41.098,20.009 h0.6
  text "PB6" at 43.948,20.009 h0.6
  text "PB4" at 8.542,20 h0.6
  text "PE1" at 11.416,20 h0.6
  text "PA5" at 8.542,17.5 h0.6
  text "PE2" at 11.6,17.5 h0.6
  text "PD6" at 41.098,17.509 h0.6
  text "PA4" at 43.948,17.509 h0.6
  text "PA6" at 8.542,14.9 h0.6
  text "PE3" at 11.6,14.9 h0.6
  text "PD7" at 41.098,14.909 h0.6
  text "PA3" at 43.948,14.909 h0.6
  text "PF4" at 41.098,12.409 h0.6
  text "PA2" at 43.948,12.409 h0.6
  text "PA7" at 8.542,12.4 h0.6
  text "PF1" at 11.416,12.4 h0.6